# Allegro board dspeak-v1_00-0b.brd (continued)
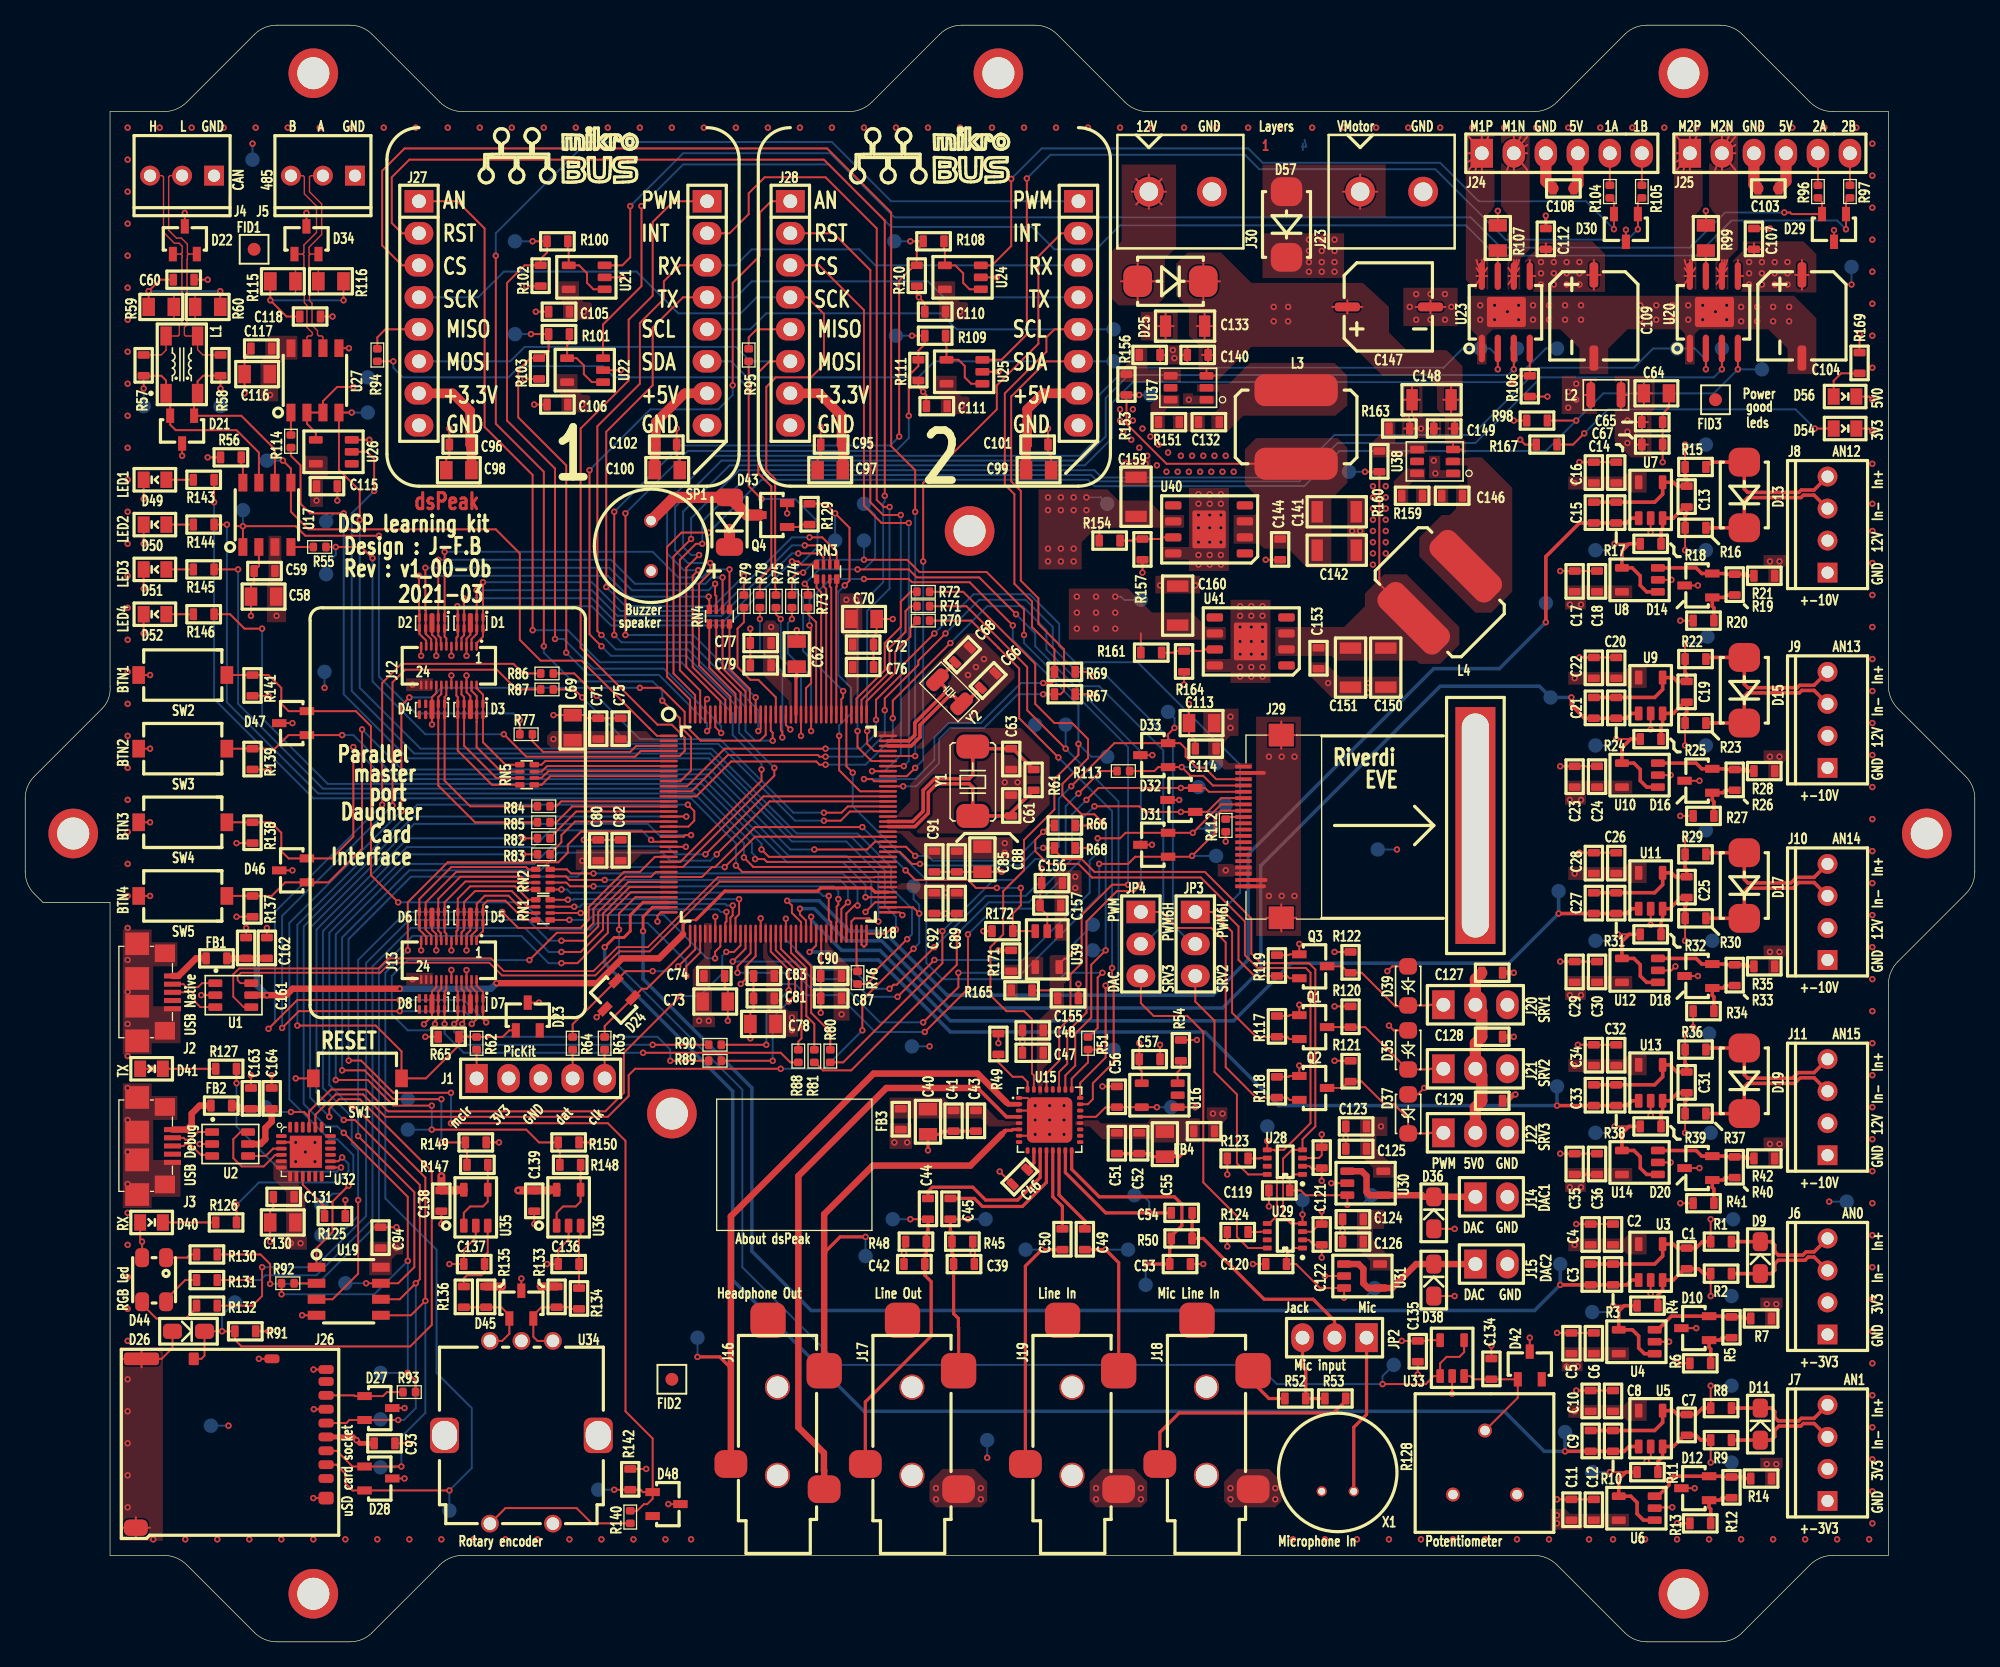
[diagram p0: board, top side]
## Nets (continued)
SPI2_MOSI: D28.1 J26.3 R83.1 TP47.1(TEST) U19.5
SPI2_SCLK: D27.2(CAT2) J26.5 R82.1 TP49.1(TEST) U19.6
SPI3_MOSI: R73.1 TP25.1(TEST) U15.27
SPI3_NCS: TP27.1(TEST) U15.31 U18.121
SPI3_SCLK: R74.1 TP26.1(TEST) U15.29
SPI4_MISO: R94.1 R95.1 U18.114
SPI4_MOSI: J27.6 J28.6 R78.1
SPI4_SCLK: J27.4 J28.4 R75.1
SWPWM_RGB_B: R132.1 U18.30
SWPWM_RGB_G: R131.1 U18.31
SWPWM_RGB_R: R130.1 U18.32
TX_LED: R126.1 U32.14
UART1_CTS: U18.71 U18.72 U26.2
UART1_RX: R114.2 TP65.1(TEST) U18.69
UART1_TX: R76.1 TP67.1(TEST) U27.4
UART2_RX: J27.14 J28.14 U18.128
UART2_TX: J27.13(TX) J28.13(TX) R79.1
UART3_RX: TP70.1(TEST) U18.47 U32.21
UART3_TX: TP71.1(TEST) U18.74 U32.20
USB_NATIVE_5V0: C161.1 C162.1 FB1.2 U1.5(VBUS) U18.77
USB_NATIVE_D+: J2.3 U1.3
USB_NATIVE_D+_MCU: U1.4 U18.80
USB_NATIVE_D-: J2.2 U1.1
USB_NATIVE_D-_MCU: U1.6 U18.79
USB_UART_5V0: C163.1 C164.1 FB2.2 U2.5(VBUS)
USB_UART_D+: J3.3 U2.3
USB_UART_D+_BRIDGE: U2.4 U32.3
USB_UART_D-: J3.2 U2.1
USB_UART_D-_BRIDGE: U2.6 U32.4
VCAP: C62.1 U18.123
VM: C104.1 C107.1 C109.1 C112.1 D57.1(CATHODE) U20.5(VM) U23.5(VM)
VRC_PWM6H_UNBUF: C120.1 TP69.1(TEST) U29.1(W) U31.3
VRC_PWM6L_UNBUF: C119.1 TP68.1(TEST) U28.1(W) U30.3
N816136: D23.1 R62.2 R65.2 SW1.2 U18.19
N817136: D24.1 R63.2 U18.37
N817140: D24.2(CAT2) R64.2 U18.38
N830783: R49.2 U15.32
N832376: R51.1 TP30.1(TEST) U15.25
N832416: R70.2 U18.109
N833767: C56.1 TP33.1(TEST) U15.21 U16.5
N833906: R78.2 U18.126
N834116: C40.1 C41.1 C43.1 FB3.2 U15.5
N834178: R80.2 U18.58
N834219: R81.2 U18.57
N834776: C46.1 U15.10
N834834: C44.2 U15.11
N834843: C45.2 U15.12
N834852: C50.1 U15.13
N834861: C49.1 U15.14
N835069: C54.1 TP35.1(TEST) U15.15
N835079: C53.2 R50.1 TP36.1(TEST) U15.16
N835155: R77.2 U18.3
N835215: RN5.8 U18.6
N835239: RN5.7 U18.7
N835264: RN5.6 U18.8
N835290: RN5.5 U18.9
N835370: R84.2 U18.14
N835374: R85.2 U18.15
N835448: RN1.1 U18.43
N835458: RN1.2 U18.44
N835468: RN1.3 U18.45
N835472: RN1.4 U18.46
N835588: R90.2 U18.53
N835695: RN2.1 U18.65
N835705: RN2.2 U18.66
N835715: RN2.3 U18.67
N835719: RN2.4 U18.68
N835809: R87.2 U18.93
N835846: C51.1 C52.1 C55.1 FB4.1 U15.20(VDDIO)
N836098: RN3.8 U18.115
N836108: RN3.7 U18.116
N836118: RN3.6 U18.117
N836122: RN3.5 U18.118
N836194: RN4.8 U18.132
N836204: RN4.7 U18.133
N836214: RN4.6 U18.134
N836218: RN4.5 U18.135
N838192: C54.2 JP2.2 R50.2
N838411: R76.2 U18.70
N839643: J16.1 U15.4
N839661: J16.3 TP32.1(TEST) U15.2
N839673: J16.2 TP34.1(TEST) U15.6
N840038: C42.1 C44.1 J17.3 R48.2 TP37.1(TEST)
N840050: C39.1 C45.1 J17.2 R45.2 TP38.1(TEST)
N840869: JP2.1 X1.1
N841249: R74.2 U18.120
N841340: R73.2 U18.119
N841348: R75.2 U18.122
N841430: J1.1 R62.1
N841434: J1.4 R64.1
N841452: J1.5 R63.1
N841543: R82.2 U18.16
N841561: R83.2 U18.18
N843121: R79.2 U18.127
N843340: R72.2 U18.111
N843655: R71.2 U18.110
N852175: D40.1(CATHODE) R126.2
N852179: D41.1(CATHODE) R127.2
N983415: R56.2 U17.8
N985250: C118.2 R115.1 R116.2
N985953: TP66.1(TEST) U26.4(Y) U27.2 U27.3
N986060: R114.1 U27.1
N986622: R123.1 U28.6
N986732: R124.1 U29.6
N989120: JP3.3 U28.8
N994548: D33.1 J29.4 R113.1 TP99.1(TEST)
N996104: C50.2 J19.3 TP40.1(TEST)
N996116: C49.2 J19.2 TP39.1(TEST)
N997070: R147.2 U35.1 U35.4
N997420: R148.2 U36.1 U36.4
N997666: JP3.1 Q1.2(S) R117.1
N999245: R140.1 U34.5(NO)
N999350: JP4.1 Q2.2(S) R118.1
N999500: J29.9 R112.1
N999996: D45.1 R135.2 R136.2 U34.1
N1000001: D45.2(CAT2) R133.2 R134.1 U34.3
N1000279: JP4.3 U29.8
N1002337: C60.1 R59.1 R60.2
N1002357: D52.2 R146.2
N1002361: D51.2 R145.2
N1002365: D50.2 R144.2
N1002369: D49.2 R143.2
N1003044: D21.1 L1.2 R58.2 TP91.1(TEST) U17.6
N1003048: D21.2(CAT2) L1.1 R57.2 TP90.1(TEST) U17.7
N1003420: C134.1 D42.1 R128.2(WIPER) U33.3
N1004229: D44.1(R) R130.2
N1004356: D44.2 R131.2
N1004427: D44.3 R132.2
N1009461: Q4.1 R129.1
N1009950: D43.2 Q4.3 SP1.2(-)
N1011168: JP2.3 R52.1 R53.1
N1013246: R54.2 U16.3
N1016369: R151.1 U37.6
N1016373: C132.2 R151.2
N1016377: C132.1 L3.1 U37.2
N1016519: R153.1 R156.1 U37.4
N1021147: R165.1 R171.2 U39.4
N1026188: R154.1 R157.2 U40.7
N1028933: R159.1 U38.6
N1028937: C146.2 R159.2
N1028941: C146.1 L4.1 U38.2
N1029099: R160.1 R163.1 U38.4
N1029131: R161.1 R164.2 U41.7
N1032268: D54.2 R167.2
N1032500: D56.2 R169.2
N1059675: D27.1 J26.7 R93.1
N1060155: R92.1 U19.2
N1073763: J28.5 R95.2
N1073775: J27.5 R94.2
N1079768: R55.1 U17.4
N1117112: R86.2 U18.94
N1117153: R89.2 U18.54
N1117172: R88.2 U18.55
N1291882: J18.2 R52.2
N1291894: J18.3 R53.2
N1403399: D25.2 J30.1
N1460045: FB2.1 J3.1
N1462007: FB1.1 J2.1
N1579889: D57.2 J23.1

Pads without a net: D4 4 5 6 7; D8 4 5 6 7; D23 2; D42 2; D48 2; FID1 1; FID2 1; FID3 1; J2 4; J3 4; J16 4 5 6; J17 4 5 6; J18 4 5 6; J19 4 5 6; J26 1 8; J29 10 11 12 13 14 15 16; NOREF#2 1; U15 8 9 17 18 19 22 28; U16 2; U26 1; U28 7; U29 7; U32 1 10 11 12 15 16 17 18 19 22 23 24; U37 5; U38 5; U40 1 4 5; U41 1 4 5

## Via types
v1: diameter 0.508, hole 0.254, TOP to BOTTOM, 1073 vias

## Routing (per net, layer and track width the routed paths; a pad name or vN(x,y) marks a point on that pad's centre or on a via; arc(x,y) is an arc through that point)
1V65_REF_P6: length 8.6
  TOP w0.279: R14.1 136.34,12.95 136.21,13.08 R12.2 134.64,13.08 134.58,13.14 D12.2 130.74,13.14 130.43,12.83 130.43,12.44 129.54,11.55 U6.3
1V65_REF_P10: length 7.9
  TOP w0.279: U8.3 132.57,85.21 133.02,84.76 D14.2 134.84,84.76 134.89,84.71 R19.2 136.47,84.71 136.59,84.58 R21.1
1V65_REF_P13: length 7.9
  TOP w0.279: R28.1 136.59,69.09 136.47,69.22 134.89,69.22 134.84,69.27 D16.2 133.02,69.27 132.57,69.72 U10.3
1V65_REF_P14: length 7.9
  TOP w0.279: U12.3 132.57,54.22 133.02,53.78 D18.2 134.84,53.78 134.89,53.72 R33.2 136.47,53.72 136.59,53.59 R35.1
1V65_REF_P15: length 7.9
  TOP w0.279: U14.3 132.57,38.98 133.02,38.54 D20.2 134.84,38.54 134.89,38.48 R40.2 136.47,38.48 136.59,38.35 R42.1
1V65_REF_P20: length 8.1
  TOP w0.279: U4.3 129.54,24.76 130.61,25.84 D10.2 134.58,25.84 134.64,25.78 R5.2 136.21,25.78 136.34,25.65 R7.1
12V: length 132.4
  TOP w0.152: C133.2 94.21,104.39 ; C133.2 93.58,103.37 ; C133.2 92.95,104.39 ; C133.2 93.58,105.42 ; 114.01,94.61 U38.3 113.28,95.09 ; D25.1 94.79,107.95 ; D25.1 92.15,107.95 ; D25.1 93.47,106.53 ; D25.1 93.47,109.37 ; C140.2 93.85,102.76 ; C140.2 93.38,102.11 ; C140.2 94.33,102.11 ; C140.2 93.85,101.46 ; C148.2 113.14,99.58 ; C148.2 112.51,98.55 ; C148.2 113.14,97.52 ; C148.2 113.76,98.55 ; 93.73,100.93 U37.3 94.45,100.45 ; C147.1 106.08,105.92 ; C147.1 104.9,106.45 ; C147.1 103.72,105.92 ; C147.1 104.9,105.39 ; C149.2 113.89,96.27 ; C149.2 113.41,95.61 ; C149.2 113.41,96.92 ; C149.2 112.93,96.27
  INNER2 w0.762: 101.4,105.41 105.92,105.41 108.71,102.62 141.35,102.62 145.03,98.93 145.03,89.41 J8.2 145.03,85.34 145.03,73.91 J9.2 145.03,69.85 145.03,58.67 J10.2 145.03,54.61 145.03,43.18 J11.2
  vias: v1(99.06,105.92) v1(99.06,104.78) v1(100.2,105.92) v1(100.2,104.78)
AVDD_3V3: length 29.5
  TOP w0.152: 128.27,94.34 C67.1 ; C67.1 128.27,95.65 ; C67.1 127.79,95 ; C67.1 128.75,95 ; U33.5 111.22,23.93 111.17,23.88 C135.1 v1(109.22,23.88) ; 128.27,96.12 C65.1 ; C65.1 127.79,96.77 ; C65.1 128.75,96.77 ; C65.1 128.27,97.43 ; U28.2 101.9,37.73 102.11,37.53 102.8,37.53 C121.1 v1(102.87,36.58) ; 128.42,99.06 128.42,99.96 ; 128.42,99.06 127.75,99.06 ; 128.42,99.06 128.42,98.16 ; 128.42,99.06 129.1,99.06 ; U29.2 101.84,31.89 102.23,31.5 C122.1 v1(102.87,30.48) ; 126.62,97.76 L2.1 ; L2.1 126.62,100.11 ; L2.1 127.15,98.93 ; R123.2 v1(95.38,37.08)
  TOP w0.279: C35.1 C36.1
  INNER2 w0.152: R128.1 113.28,12.41 ; R128.1 113.28,10.96 ; R128.1 114.01,11.68 ; R128.1 112.56,11.68
  INNER2 w0.762: 140.59,26.8 140.72,26.92 J6.2 ; J7.2 140.97,13.72
  vias: v1(53.47,49.28) v1(54.23,49.28) v1(68.96,39.62) v1(69.98,39.62) v1(107.31,33.53) v1(107.57,40.89) v1(121.54,10.03) v1(121.54,9.4) v1(122.3,21.84) v1(122.55,82.3) v1(122.55,66.8) v1(122.55,51.31) v1(122.55,36.07) v1(122.94,91.95) v1(122.94,76.45) v1(122.94,60.96) v1(122.94,45.72) v1(122.94,31.5) v1(122.94,18.29) v1(123.19,21.84) v1(123.44,82.3) v1(123.44,66.8) v1(123.44,51.31) v1(123.44,36.07) v1(127.13,96.9) v1(127.13,96.01) v1(127.13,95.12) v1(138.18,26.8) v1(138.18,14.1) v1(138.43,85.73) v1(138.43,70.23) v1(138.43,54.74) v1(138.43,39.5) v1(138.94,26.8) v1(138.94,14.1) v1(139.19,85.73) v1(139.19,70.23) v1(139.19,54.74) v1(139.19,39.5)
DGND: length 513.4
  TOP w0.152: C91.2 C88.2 75.01,61.09 75.02,61.09 C85.2 v1(77.47,61.09) ; 14.83,39.5 v1(13.84,39.5) ; 109.85,95.61 R163.2 ; R163.2 109.85,96.92 ; R163.2 109.38,96.27 ; R163.2 110.33,96.27 ; 98.48,71.94 J29.22 ; J29.22 100.84,71.94 ; J29.22 99.66,73.02 ; J29.22 99.66,70.87 ; C131.2 19.69,34.45 19.44,34.2 C130.2 v1(19.44,31.76) ; 91.72,102.11 C140.1 ; C140.1 92.2,101.46 ; C140.1 92.2,102.76 ; R13.1 v1(131.06,9.4) ; v1(32.61,78.23) J12.17 32.61,79.58 32.27,79.92 D2.3 ; D45.3 v1(39.36,28.82) ; R102.1 v1(39.75,107.57) ; J26.6 v1(22.9,18.45) ; U16.1 v1(92.84,42.42) ; C119.2 v1(98.68,34.54) ; v1(63.12,49.91) C87.2 C90.2 63.12,53.51 63.15,53.55 U18.63 ; C89.2 v1(72.99,57.78) C92.2 ; SW3.2 v1(9.91,70.87) ; U9.2 v1(128.97,72.39) ; C56.2 v1(85.47,44.07) ; C97.2 62.87,93.89 63.12,94.14 C95.2 v1(63.12,96.39) ; J12.12 v1(33.81,76.68) ; R48.1 69.72,31.62 v1(69.72,30.86) 69.74,30.84 69.74,30.63 69.72,30.61 C42.2 69.72,29.84 ; C99.2 81.4,94.07 81.15,94.32 C101.2 v1(81.15,96.27) ; v1(111,43.94) 110.49,43.43 D37.1 ; D20.3 v1(132.84,37.59) ; C94.2 v1(29.46,32.89) ; v1(102.87,40.26) 102.87,38.61 102.65,38.38 U28.3 ; 111.5,105.39 C147.2 ; C147.2 111.5,106.45 ; C147.2 110.32,105.92 ; C147.2 112.68,105.92 ; v1(121.54,24.51) C5.2 C6.2 ; C8.2 C10.2 v1(123.06,19.94) ; U35.2 35.75,32.07 34.8,31.12 C137.2 v1(33.66,29.97) ; C124.2 v1(104.52,32.64) C126.2 ; U14.2 v1(130.56,38.03) ; U25.2 v1(77.22,100.77) ; U39.2 81.09,57.67 80.52,58.24 C157.1 80.52,59.39 80.64,59.52 C156.2 v1(80.64,61.34) ; R41.1 v1(131.32,34.8) ; U21.2 v1(47.37,108.27) ; D18.3 v1(132.72,52.83) ; 111.76,95.61 C149.1 ; C149.1 112.24,96.27 ; C149.1 111.76,96.92 ; C149.1 111.28,96.27 ; v1(35.01,78.23) J12.5 35.01,79.59 35.32,79.9 D1.3 ; C24.2 C23.2 v1(121.79,69.47) ; D30.3 v1(127.01,112.04) ; U33.2 v1(113.22,19.68) ; C134.2 v1(116.33,23.5) ; U7.2 v1(128.97,88.01) ; C118.1 v1(24.38,105.16) ; R27.1 v1(131.32,65.53) ; U29.3 102.09,32.54 102.69,33.15 C122.2 v1(102.87,34.16) ; v1(51.69,96.27) C102.2 51.69,94.14 51.94,93.89 C100.2 ; C64.2 130.42,97.96 129.92,97.45 C65.2 C67.2 v1(129.92,93.6) ; R20.1 v1(131.32,81.03) ; U15.1 79.53,43.15 v1(80.14,42.54) 80.53,42.15 ; U11.2 v1(128.97,56.9) ; C106.2 v1(40.39,98.17) ; C74.2 55.5,51.98 55.75,51.73 C73.2 v1(55.75,49.28) ; D5.3 35.32,56.45 35.01,56.14 J13.5 v1(35.01,54.86) ; C83.2 C81.2 57.79,50.2 57.54,49.95 C78.2 v1(57.54,47.88) ; C79.2 C77.2 v1(57.53,80.39) ; v1(130.56,68.77) U10.2 ; U22.2 v1(47.24,100.9) ; v1(108.08,53.21) 108.46,53.59 D39.1 ; D26.1 11.68,23.31 10.83,22.45 J26.12 ; v1(116.84,113.54) R107.2 116.84,112.14 ; D24.3 v1(45.34,49.56) ; 90.48,103.37 C133.1 ; C133.1 91.11,104.39 ; C133.1 89.85,104.39 ; C133.1 90.48,105.42 ; J12.23 v1(31.41,78.23) ; v1(33.66,96.27) C96.2 33.66,94.14 33.41,93.89 C98.2 ; C114.2 92.84,71.54 92.33,72.05 C113.2 v1(92.33,74.42) ; v1(121.79,38.73) C35.2 C36.2 ; v1(17.91,81.41) C58.2 17.91,83.86 18.16,84.11 C59.2 18.54,85.34 U17.2 ; D49.1 v1(9.4,90.68) ; 109.41,98.55 C148.1 ; C148.1 110.04,99.58 ; C148.1 110.04,97.52 ; C148.1 110.66,98.55 ; v1(123.32,78.11) C22.2 C20.2 ; v1(31.64,49) 32.27,49.64 D8.3 32.27,51.59 32.61,51.93 J13.18 ; U12.2 129.54,53.27 130.61,53.27 v1(130.94,53.59) ; U18.36 50.43,57.88 50.16,57.62 v1(50.16,57.15) ; U8.2 v1(130.62,84.26) ; U18.51 v1(58.35,57.4) ; R112.2 v1(95.25,63.5) ; C48.2 v1(79.12,47.61) C47.2 ; C138.2 v1(33.02,33.15) ; R6.1 v1(131.06,22.1) ; 8.78,8.23 J26.13 ; J26.13 7.65,9.05 ; J26.13 8.78,9.88 ; J26.13 9.9,9.05 ; U32.2 20.95,39.63 20.96,39.62 v1(21.46,39.62) ; U15.7 80.03,40.15 v1(80.14,40.26) v1(81.28,41.4) 80.53,42.15 ; D51.1 v1(9.4,83.57) ; D42.3 v1(119.37,24.13) ; 7.65,22.45 J26.12 ; J26.12 9.23,23.13 ; J26.12 9.23,21.78 ; 80.53,42.15 U15.3 ; J13.23 v1(31.41,54.86) ; C18.2 C17.2 v1(121.79,84.96) ; v1(35.01,53.3) J13.6 35.01,51.89 35.32,51.58 D7.3 ; 99.66,56.37 J29.21 ; J29.21 98.48,57.44 ; J29.21 100.84,57.44 ; J29.21 99.66,58.52 ; U3.2 v1(128.97,27.62) ; C57.2 v1(90.04,47.37) ; v1(44.32,63.63) 47.24,63.63 ; C123.2 v1(104.77,40) C125.2 ; SW2.2 v1(9.91,76.71) ; D12.3 v1(132.46,12.19) ; C26.2 C28.2 v1(123.32,62.61) ; R156.2 90.04,102.76 ; R156.2 90.52,102.11 ; R156.2 90.04,101.46 ; v1(146.56,96.01) 146.3,96.27 D54.1 ; v1(121.79,53.97) 124.71,53.97 ; 98.42,60.45 98.42,60.44 ; D56.1 146.3,98.81 v1(146.56,98.55) ; v1(61.21,80.26) C62.2 ; C46.2 v1(77.32,37.31) ; U24.2 v1(77.09,108.27) ; v1(68.83,81.15) C70.2 67.56,80.05 67.31,79.8 C72.2 C76.2 ; D28.3 v1(30.09,12.96) ; C161.2 v1(17.53,56.64) ; D48.3 v1(51.03,10.93) ; D29.3 v1(143.52,112.01) ; D21.3 v1(12.45,94.11) ; v1(17.4,99.07) C116.2 17.4,101.94 17.91,102.44 C117.2 ; v1(123.06,33.15) C4.2 C2.2 ; v1(13.97,51.31) U1.2 ; D38.1 v1(113.41,27.43) ; U18.23 v1(52.41,63.08) ; Q4.2 v1(60.45,89.54) ; U5.2 128.97,15.49 128.97,14.67 v1(128.65,14.35) ; D33.3 v1(89.43,70.35) ; U27.5 v1(25.68,102.64) ; C120.2 v1(97.41,29.97) ; D36.1 v1(113.41,32.77) ; U13.2 v1(128.97,41.78) ; D23.3 v1(40.77,50.71) ; R171.1 v1(77.22,54.86) ; D6.3 32.27,56.5 32.61,56.16 J13.17 v1(32.61,54.86) ; 126.24,47.37 v1(123.19,47.37) ; v1(123.32,93.6) C16.2 C14.2 ; C144.1 v1(98.42,85.85) ; R111.1 70.87,99.57 v1(71.25,99.19) 71.5,98.93 C111.2 ; D35.1 108.58,48.51 v1(108.2,48.89) ; 133.35,112.14 R99.2 v1(133.35,113.54) ; J26.11 v1(18.54,22.45) ; C110.2 71.37,106.22 v1(70.91,106.68) 70.74,106.85 R110.1 ; U6.2 129.35,10.67 v1(130.68,10.67) ; v1(41.91,73.53) C69.2 44.36,73.53 44.61,73.28 C71.2 C75.2 ; D34.3 v1(22.32,113.37) ; C163.2 v1(17.91,44.96) ; R164.1 v1(91.95,75.95) ; U19.4 v1(21.97,25.91) ; U4.2 v1(130.43,23.81) ; D46.3 v1(21.2,61.21) ; R149.1 v1(37.59,39.62) ; U26.3 v1(27.3,95.37) ; SW4.2 v1(9.91,65.02) ; C60.2 v1(14.48,108.08) ; v1(121.54,11.3) C11.2 C12.2 ; D3.3 35.32,75.04 35.01,75.35 J12.6 v1(35.01,76.67) ; 75.31,29.84 C39.2 75.31,30.65 75.18,30.78 v1(75.18,30.86) R45.1 ; C155.1 v1(83.57,52.2) ; C53.1 v1(93.47,29.97) ; v1(103.63,36.39) U30.2 ; D16.3 v1(132.84,68.32) ; J13.12 v1(33.81,53.31) ; R56.1 v1(14.48,93.98) ; C93.2 v1(30.35,15.75) ; U18.125 60.35,72.74 v1(60.71,72.39) ; R103.1 v1(39.62,100.2) ; SW1.1 v1(21.46,44.7) ; D22.3 v1(12.66,113.37) ; 98.3,68.96 98.28,68.94 ; D32.3 v1(91.56,66.8) ; D10.3 v1(132.59,24.89) ; J12.11 v1(33.81,78.23) ; U18.42 v1(54.75,57.53) ; U36.2 43.11,31.94 42.29,31.12 C136.2 v1(41.4,29.97) ; v1(54.1,74.8) 53.95,74.65 U18.141 ; C162.2 v1(19.18,56.64) ; J13.11 v1(33.81,54.86) ; v1(69.6,57.66) 69.37,57.88 U18.73 ; v1(32.27,72.79) D4.3 32.27,74.95 32.61,75.29 J12.18 ; C115.2 v1(24.77,90.55) ; C105.2 v1(40.51,105.54) ; R150.1 v1(44.96,39.62) ; D27.3 v1(30.09,18.55) ; D31.3 v1(89.4,63.24) ; SW5.2 v1(9.91,59.18) ; U31.2 v1(103.12,29.02) ; J26.14 v1(22.86,11.4) ; D52.1 v1(9.4,80.01) ; D50.1 v1(9.4,87.12) ; C164.2 v1(19.56,44.96) ; R157.1 v1(88.65,84.84) ; D47.3 v1(21.2,72.89) ; R124.2 v1(95.38,31.37) ; R34.1 v1(132.33,48.77) ; C135.2 v1(110.49,21.21) ; D14.3 v1(132.72,83.81) ; v1(76.03,56.39) R172.2 ; C139.2 v1(40.39,33.15) ; J26.9 v1(22.87,21.6)
  TOP w0.254: C51.2 C52.2 89.2,38.73 89.44,38.49 C55.2 91.57,38.49 v1(91.95,38.86) ; C107.2 v1(138.43,112.14) ; 75.44,40.51 72.86,40.51 72.61,40.26 C40.2 v1(71.63,38.99) ; C112.2 v1(120.65,113.16)
  TOP w0.305: 98.42,60.44 J29.19 ; 98.28,68.94 J29.2 ; J29.20 98.3,59.94
  TOP w0.381: C129.2 117.6,42.93 118.11,43.43 v1(118.24,43.43) ; C127.2 v1(118.11,53.09) ; C128.2 v1(118.11,48.01)
  TOP w0.889: J24.3 120.65,115.89 C108.2 ; J25.3 137.16,115.63 C103.2
  INNER1 w0.152: J6.1 143,25.35 ; J6.1 143,23.42 ; J6.1 142.04,24.38 ; J6.1 143.97,24.38 ; 14.02,116.33 J4.1 ; J4.1 14.99,115.37 ; J4.1 15.95,116.33 ; J4.1 14.99,117.3 ; 117.6,39.13 J22.3 ; J22.3 116.6,40.39 ; J22.3 117.6,41.64 ; J22.3 118.61,40.39 ; 38.49,23.88 U34.2 ; U34.2 39.37,24.75 ; U34.2 40.25,23.88 ; U34.2 39.37,23 ; X1.2 103.45,11.94 ; X1.2 102.87,11.36 ; X1.2 102.29,11.94 ; X1.2 102.87,12.52 ; J8.1 143.97,84.84 ; J8.1 143,83.87 ; J8.1 142.04,84.84 ; J8.1 143,85.8 ; J10.1 143,55.07 ; J10.1 143,53.14 ; J10.1 143.97,54.1 ; J10.1 142.04,54.1 ; 29.98,96.52 J27.8 ; J27.8 31.24,95.52 ; J27.8 31.24,97.52 ; J27.8 32.5,96.52 ; U34.7 45.47,17.95 ; U34.7 44.14,16.38 ; U34.7 45.47,14.8 ; U34.7 46.8,16.38 ; J1.3 41.9,44.7 ; J1.3 40.89,45.96 ; J1.3 40.89,43.45 ; J1.3 39.89,44.7 ; J11.1 143,39.57 ; J11.1 143,37.64 ; J11.1 142.04,38.61 ; J11.1 143.97,38.61 ; U34.4 41.87,10.25 ; U34.4 42.75,9.38 ; U34.4 40.99,9.38 ; U34.4 41.87,8.5 ; J30.2 95.51,115.06 ; J30.2 94.15,113.7 ; J30.2 92.8,115.06 ; J30.2 94.15,116.42 ; 136.16,118.11 J25.3 ; J25.3 138.16,118.11 ; J25.3 137.16,119.37 ; J25.3 137.16,116.85 ; 109.56,115.06 J23.2 ; J23.2 112.28,115.06 ; J23.2 110.92,113.7 ; J23.2 110.92,116.42 ; J9.1 143,70.31 ; J9.1 142.04,69.34 ; J9.1 143.97,69.34 ; J9.1 143,68.38 ; 117.6,49.29 J20.3 ; J20.3 117.6,51.8 ; J20.3 118.61,50.55 ; J20.3 116.6,50.55 ; J7.1 143,12.14 ; J7.1 142.04,11.18 ; J7.1 143.97,11.18 ; J7.1 143,10.21 ; 116.6,35.31 J14.2 ; J14.2 118.61,35.31 ; J14.2 117.6,36.56 ; J14.2 117.6,34.05 ; 33.27,14.8 U34.6 ; U34.6 34.6,16.38 ; U34.6 33.27,17.95 ; U34.6 31.94,16.38 ; 116.6,29.97 J15.2 ; J15.2 118.61,29.97 ; J15.2 117.6,28.71 ; J15.2 117.6,31.23 ; J5.1 27.13,116.33 ; J5.1 26.16,117.3 ; J5.1 25.2,116.33 ; J5.1 26.16,115.37 ; 54.1,96.52 55.36,96.52 ; 54.1,96.52 54.1,95.52 ; 54.1,96.52 54.1,97.52 ; 54.1,96.52 52.84,96.52 ; J21.3 117.6,46.72 ; J21.3 116.6,45.47 ; J21.3 117.6,44.21 ; J21.3 118.61,45.47 ; 83.57,95.52 J28.9 ; J28.9 84.82,96.52 ; J28.9 83.57,97.52 ; J28.9 82.31,96.52 ; R128.3 118.36,12.41 ; R128.3 117.64,11.68 ; R128.3 119.09,11.68 ; R128.3 118.36,10.96 ; J28.8 60.71,97.52 ; J28.8 60.71,95.52 ; J28.8 61.96,96.52 ; J28.8 59.45,96.52 ; 120.65,116.85 J24.3 ; J24.3 119.65,118.11 ; J24.3 121.65,118.11 ; J24.3 120.65,119.37
  BOTTOM w0.152: TP82.1 v1(18.03,118.87) ; TP89.1 v1(144.91,107.7) ; TP88.1 v1(108.84,62.86) ; TP83.1 v1(23.75,75.69) ; TP84.1 v1(16.13,17.14) ; v1(143.13,34.92) TP87.1 ; TP85.1 v1(76.33,14.61) ; TP86.1 v1(71.75,47.24)
  vias: v1(8.13,120.14) v1(8.13,117.6) v1(8.13,115.06) v1(8.13,112.52) v1(8.13,109.98) v1(8.13,107.44) v1(8.13,104.9) v1(8.13,102.36) v1(8.13,99.82) v1(8.13,97.28) v1(8.13,94.74) v1(8.13,92.2) v1(8.13,89.66) v1(8.13,87.12) v1(8.13,84.58) v1(8.13,82.04) v1(8.13,79.5) v1(8.13,76.96) v1(8.13,74.42) v1(8.13,71.88) v1(8.13,69.34) v1(8.13,66.8) v1(8.13,64.26) v1(8.13,61.72) v1(8.13,59.18) v1(8.13,56.64) v1(8.13,54.1) v1(8.13,51.56) v1(8.13,49.02) v1(8.13,46.48) v1(8.13,43.94) v1(8.13,41.4) v1(8.13,38.86) v1(8.13,36.32) v1(8.13,34.04) v1(8.13,31.5) v1(8.13,28.96) v1(8.13,26.42) v1(8.13,23.88) v1(8.13,20.83) v1(8.13,18.29) v1(8.13,15.75) v1(8.13,13.21) v1(8.13,10.67) v1(10.16,8.13) v1(10.67,120.14) v1(12.7,8.13) v1(13.21,120.14) v1(15.24,8.13) v1(15.75,120.14) v1(17.78,8.13) v1(18.29,120.14) v1(20.32,8.13) v1(20.83,120.14) v1(21.46,38.1) v1(22.23,38.86) v1(22.86,8.13) v1(22.99,39.62) v1(22.99,38.1) v1(23.37,120.14) v1(25.4,8.13) v1(25.91,120.14) v1(27.94,8.13) v1(28.45,120.14) v1(30.48,8.13) v1(30.99,120.14) v1(33.02,8.13) v1(33.53,120.14) v1(35.56,8.13) v1(36.07,120.14) v1(38.1,8.13) v1(38.61,120.14) v1(40.64,8.13) v1(41.15,120.14) v1(43.18,8.13) v1(43.69,120.14) v1(45.72,8.13) v1(46.23,120.14) v1(48.26,8.13) v1(48.77,120.14) v1(50.8,8.13) v1(51.31,120.14) v1(52.83,8.13) v1(53.85,120.14) v1(56.39,120.14) v1(58.93,120.14) v1(61.47,120.14) v1(64.01,120.14) v1(66.55,120.14) v1(69.09,120.14) v1(71.63,120.14) v1(72.26,12.19) v1(72.26,11.3) v1(74.17,120.14) v1(74.8,76.71) v1(75.44,77.34) v1(75.82,12.19) v1(75.82,11.3) v1(76.07,77.98) v1(76.71,120.14) v1(77.72,68.2) v1(78.74,68.2) v1(79.25,120.14) v1(80.14,41.4) v1(81.28,42.54) v1(81.28,40.26) v1(81.79,120.14) v1(82.42,42.54) v1(82.42,41.4) v1(82.42,40.26) v1(84.33,120.14) v1(84.96,12.19) v1(84.96,11.3) v1(86.87,120.14) v1(86.87,97.79) v1(86.87,96.9) v1(87.12,96.01) v1(87.38,93.47) v1(87.76,95.38) v1(87.88,97.79) v1(87.88,96.9) v1(88.39,94.74) v1(88.52,12.19) v1(88.52,11.3) v1(88.65,96.27) v1(88.9,93.47) v1(89.03,105.03) v1(89.03,103.76) v1(89.03,94.11) v1(89.28,95.63) v1(89.41,120.14) v1(89.79,93.34) v1(89.92,95) v1(90.04,83.82) v1(90.55,92.84) v1(90.68,94.36) v1(91.06,102.49) v1(91.19,101.85) v1(91.44,92.84) v1(91.69,94.11) v1(91.95,120.14) v1(92.33,98.55) v1(92.33,92.84) v1(92.58,94.11) v1(92.84,83.82) v1(93.09,91.06) v1(93.09,90.3) v1(93.09,89.41) v1(93.09,88.39) v1(93.09,87.25) v1(93.09,86.23) v1(93.09,85.47) v1(93.22,92.84) v1(93.47,94.11) v1(93.98,91.06) v1(93.98,90.3) v1(93.98,89.41) v1(93.98,88.39) v1(93.98,87.25) v1(93.98,86.23) v1(93.98,85.47) v1(94.11,92.84) v1(94.36,94.11) v1(94.49,120.14) v1(94.87,91.06) v1(94.87,90.3) v1(94.87,89.41) v1(94.87,88.39) v1(94.87,87.25) v1(94.87,86.23) v1(94.87,85.47) v1(95,92.84) v1(95.25,94.11) v1(95.63,12.19) v1(95.63,11.3) v1(95.88,92.84) v1(96.39,82.17) v1(96.39,81.41) v1(96.39,80.52) v1(96.39,79.38) v1(96.39,78.36) v1(96.39,77.34) v1(96.39,76.58) v1(97.03,120.14) v1(97.28,82.17) v1(97.28,81.41) v1(97.28,80.52) v1(97.28,79.38) v1(97.28,78.36) v1(97.28,77.34) v1(97.28,76.58) v1(98.17,82.17) v1(98.17,81.41) v1(98.17,80.52) v1(98.17,79.38) v1(98.17,78.36) v1(98.17,77.34) v1(98.17,76.58) v1(98.68,70.23) v1(98.68,59.18) v1(99.19,12.19) v1(99.19,11.3) v1(99.57,120.14) v1(99.69,70.23) v1(99.69,59.18) v1(100.58,8.13) v1(100.71,70.23) v1(100.71,59.18) v1(102.11,120.14) v1(103.12,8.13) v1(103.38,76.07) v1(104.65,120.14) v1(105.28,88.14) v1(105.66,8.13) v1(105.92,88.14) v1(106.55,76.07) v1(106.55,75.31) v1(106.93,91.69) v1(106.93,90.81) v1(106.93,89.92) v1(106.93,89.03) v1(106.93,88.14) v1(106.93,87.25) v1(106.93,86.36) v1(106.93,85.47) v1(107.19,120.14) v1(107.95,91.69) v1(107.95,90.81) v1(107.95,89.92) v1(107.95,89.03) v1(107.95,88.14) v1(107.95,87.25) v1(107.95,86.36) v1(108.2,8.13) v1(109.73,120.14) v1(109.85,105.92) v1(109.98,97.16) v1(110.36,106.93) v1(110.36,104.9) v1(110.74,96.27) v1(110.74,8.13) v1(111.51,106.93) v1(111.51,104.9) v1(111.76,93.73) v1(111.89,92.71) v1(112.27,120.14) v1(112.65,106.93) v1(112.65,104.9) v1(113.16,105.92) v1(113.28,8.13) v1(114.81,120.14) v1(115.44,106.05) v1(115.44,104.9) v1(115.82,8.13) v1(116.59,106.05) v1(116.59,104.9) v1(117.35,120.14) v1(117.6,105.54) v1(118.36,8.13) v1(118.49,106.05) v1(118.49,104.9) v1(119.63,106.05) v1(119.63,104.9) v1(119.89,120.14) v1(120.9,106.05) v1(120.9,104.9) v1(120.9,8.13) v1(122.17,106.05) v1(122.17,104.9) v1(122.43,120.14) v1(123.44,106.05) v1(123.44,104.9) v1(124.08,8.13) v1(124.97,120.14) v1(125.98,8.13) v1(127.51,120.14) v1(128.14,106.05) v1(128.14,104.9) v1(128.52,8.13) v1(129.41,106.05) v1(129.41,104.9) v1(130.05,120.14) v1(130.68,106.05) v1(130.68,104.9) v1(131.06,8.13) v1(131.95,106.05) v1(131.95,104.9) v1(132.59,120.14) v1(133.1,106.05) v1(133.1,104.9) v1(133.6,8.13) v1(134.11,105.54) v1(135,106.05) v1(135,104.9) v1(135.13,120.14) v1(136.14,105.92) v1(136.14,104.78) v1(136.14,8.13) v1(137.41,105.92) v1(137.41,104.78) v1(137.67,120.14) v1(138.68,105.92) v1(138.68,104.78) v1(138.68,8.13) v1(139.95,105.92) v1(139.95,104.78) v1(140.21,120.14) v1(141.22,8.13) v1(142.75,120.14) v1(143.76,8.13) v1(145.29,120.14) v1(146.3,8.13) v1(146.56,118.87) v1(146.56,116.33) v1(146.56,113.79) v1(146.56,111.25) v1(146.56,108.71) v1(146.56,106.17) v1(146.56,103.63) v1(146.56,101.09) v1(146.56,93.47) v1(146.56,90.3) v1(146.56,88.14) v1(146.56,85.6) v1(146.56,83.06) v1(146.56,80.52) v1(146.56,77.98) v1(146.56,75.44) v1(146.56,72.9) v1(146.56,70.36) v1(146.56,67.82) v1(146.56,65.28) v1(146.56,62.74) v1(146.56,60.2) v1(146.56,57.66) v1(146.56,55.12) v1(146.56,52.58) v1(146.56,50.04) v1(146.56,47.5) v1(146.56,44.96) v1(146.56,42.42) v1(146.56,39.88) v1(146.56,37.34) v1(146.56,34.8) v1(146.56,32.26) v1(146.56,29.72) v1(146.56,27.18) v1(146.56,24.64) v1(146.56,22.1) v1(146.56,19.56) v1(146.56,17.02) v1(146.56,14.48) v1(146.56,11.94) v1(146.56,9.4)
DVDD_1V8: length 6.2
  TOP w0.152: v1(83.25,54.8) 82.65,54.2 82.46,54.2 82.04,53.79 U39.5 ; R165.2 81.53,51.69
  BOTTOM w0.152: TP81.1 83.25,55.44 v1(83.25,54.8)
DVDD_3V3: length 82.1
  TOP w0.152: R119.2 100.25,54.48 100.32,54.55 Q3.1 v1(101.09,55.37) ; R49.1 v1(77.22,47.5) ; R69.1 84.33,76.96 v1(84.71,76.58) ; R54.1 v1(92.96,47.75) ; R137.2 v1(16.76,57.53) ; R106.1 v1(120.78,98.81) ; 123.69,98.93 L2.2 ; L2.2 124.22,100.11 ; L2.2 124.22,97.76 ; D41.2 v1(10.03,45.47) ; R154.2 85.22,88.52 ; D40.2 9.12,31.9 v1(9.27,31.75) 9.27,31.44 9.28,31.43 D44.4 ; R141.2 v1(19.3,75.06) ; R139.2 v1(19.3,69.22) ; 99.31,44.83 100.25,44.83 100.32,44.9 Q2.1 v1(101.09,45.72) ; R117.2 100.25,49.66 100.32,49.72 Q1.1 v1(101.09,50.55) ; 18.03,63.37 v1(16.76,63.37) ; R142.1 v1(49.28,13.72) ; U16.4 88.59,45.27 88.39,45.47 C57.1 v1(88.39,47.5) ; v1(118.62,95.38) 119,95 R167.1 ; R91.1 v1(19.3,24.64) ; v1(118.11,96.9) R98.1 ; R67.1 v1(84.84,75.18) ; R66.1 v1(84.45,64.77) ; R68.1 v1(84.45,62.99) ; R125.1 v1(25.4,35.05) ; R65.1 v1(31.75,48.01)
  TOP w0.381: C93.1 26.54,15.75 v1(26.29,16) 26.04,16.25 J26.4
  TOP w0.762: C98.1 35.41,94.9 C96.1 35.31,97.66 33.91,99.06 J27.7 ; C97.1 64.87,94.9 C95.1 64.77,97.28 62.99,99.06 J28.7